# Altium PCB Copy of PCB1.PcbDoc
Units mil, origin at the board's own origin, x right, y up, seen from the top; angles counter-clockwise.
Board outline 1770.03 x 1860.01 mil, 2 copper layers (Top Layer, Bottom Layer); 63 components, 63 nets, 344 pads, 51 vias.
Unrouted connection lines stored in the file: 69.
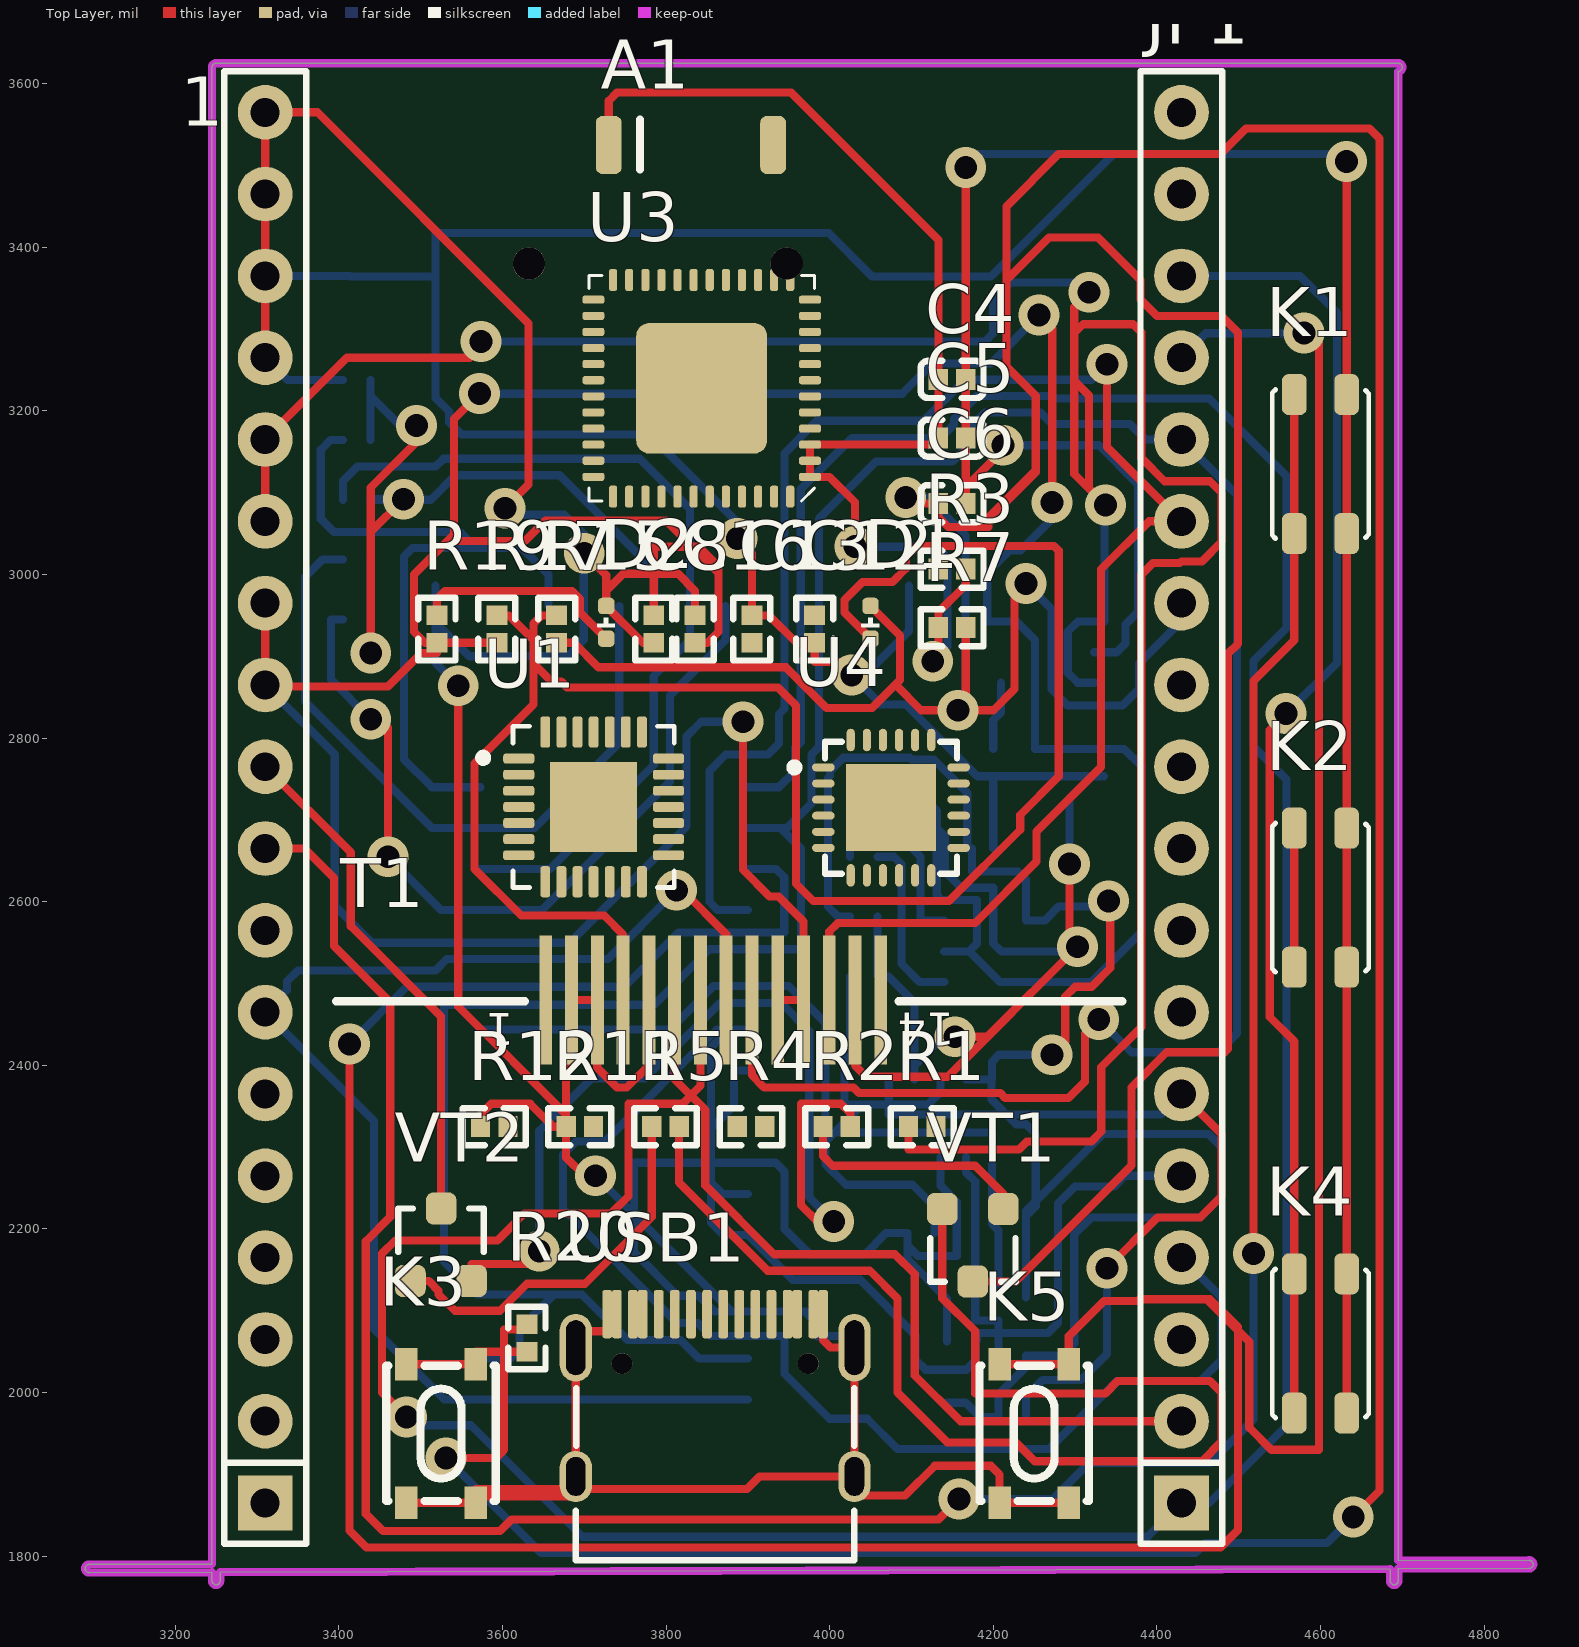
[diagram p0: Top Layer view]
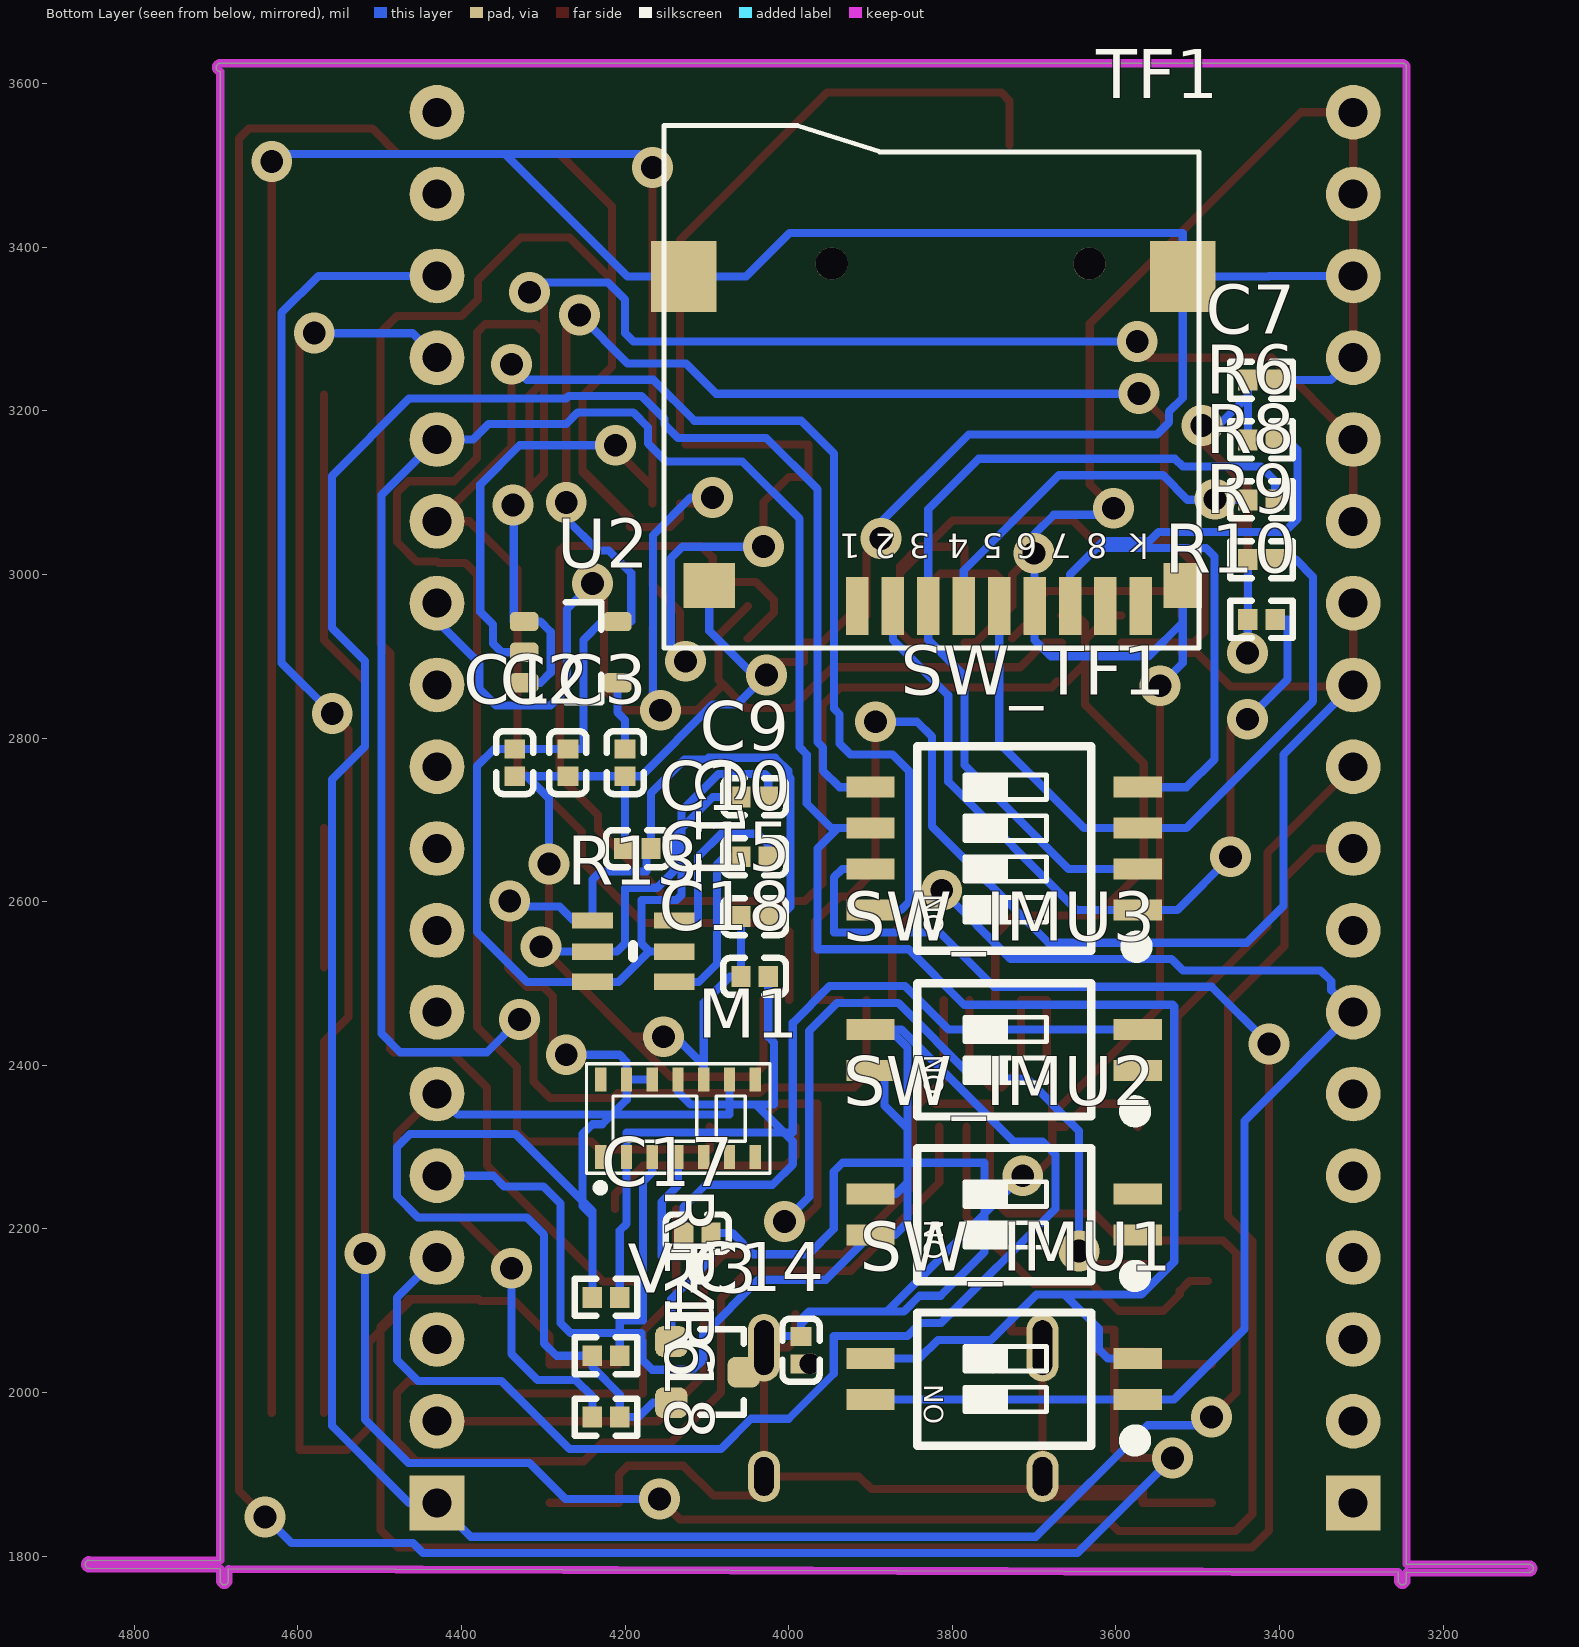
[diagram p1: Bottom Layer view, seen from below]

## Layer stack, top to bottom
Top Solder: solder mask 0.4, Solder Resist, Dk 3.5
Top Layer: signal copper 1.4
Dielectric 1: dielectric 12.6, FR-4, Dk 4.8
Bottom Layer: signal copper 1.4
Bottom Solder: solder mask 0.4, Solder Resist, Dk 3.5

## Board outline
3244.99,1770 3244.99,1780.41 3095.01,1779.98 cw(c3095,1785) 3094.99,1790.02 3244.99,1790.44 3244.99,3620 cw(c3250,3620) 3250,3625.01 4695,3625.01 cw(c4695,3620) 4700.02,3620 cw(c4695,3620) 4695.02,3614.99 4695.02,1794.56 4854.99,1795.02 cw(c4855,1790) 4860.02,1790 cw(c4855,1790) 4855.01,1784.98 4695.02,1784.53 4695.02,1770 cw(c4690,1770) 4684.98,1770 4684.98,1784.5 3255.01,1780.44 3255.01,1770 cw(c3250,1770)

## Design rules (kind name [scope] priority, off if disabled: settings)
Clearance [All] p1: gap=10 ignorepadtopadclearanceinfootprint=FALSE except(0: Arc-Hole Track-Hole SMDPad-Hole THPad-Hole Via-Hole Fill-Hole Poly-Hole Region-Hole Text-Hole)
PolygonConnect [All] p1: connectstyle=Relief reliefconductorwidth=10 reliefentries=4 polygonreliefangle="90 Angle" airgapwidth=10
RoutingVias [All] p1: holewidth=28 width=50 viastyle="Through Hole" minholewidth=28 minwidth=50 maxholewidth=28 maxwidth=50
SolderMaskExpansion [All] p1: expansion=4 istentingtop=FALSE
Width [All] p1: maxlimit=10 minlimit=10 preferedwidth=10
30 further rules are at their usual default settings.

## Components (designator, comment, footprint, x,y, rotation, side; value= is the part's Value field where it differs from the comment)
1 "HDR-1X18" HDR2.54-LI-18P 3310,2715 r90 top
A1 "RAINSUN" ANT-Rainsun-AN5120 3830,3525 r0 top
C1 "0.1uF" 0402_C 4334.96,2770 r90 bottom value=0.1u
C2 "10uF" 0402_C 4270,2770 r90 bottom value=0.1u
C3 "10nF" 0402_C 4200,2770 r90 bottom value=0.1u
C4 "10nF" 0402_C 4149.69,3238.39 r180 top value=0.1u
C5 "0.1uF" 0402_C 4149.69,3166.77 r180 top value=0.1u
C6 "0.1uF" 0402_C 4149.69,3086.69 r180 top value=0.1u
C7 "100nf" 0402_R 3422.05,3237.6 r0 bottom
C8 "10nF" 0402_R 3785,2933.27 r270 top value=0.1u
C9 "10uF (106) 10% 10V" 0402_C 4041.73,2728.15 r0 bottom
C10 "1uF (105) 10% 50V" 0402_C 4041.73,2655 r180 bottom
C11 "10uF (106) 10% 10V" 0402_C 4185,2665 r180 bottom
C12 "0.1uF" 0402_R 3981.75,2933.27 r270 top value=0.1u
C13 "2.2nF" 0402_R 3905,2933.27 r270 top value=0.1u
C14 "100nF (104) 10% 50V" 0402_C 3985,2051.73 r90 bottom
C15 "100nF (104) 10% 50V" 0402_C 4041.73,2581.85 r180 bottom
C16 "0.1uF" 0402_R 3835.45,2933.27 r270 top value=0.1u
C17 "100nF (104) 10% 50V" 0402_C 4111.73,2195 r180 bottom
C18 "10uF (106) 10% 10V" 0402_C 4041.73,2508.7 r0 bottom
D1 "color?" LED_0402_RED 4050,2941.59 r90 top
D2 "color?" LED_0402_RED 3726.87,2941.59 r90 top
JP1 "HDR-1X18" HDR2.54-LI-18P 4430,2715 r90 top
K1 "TACT 4P" ButtonTACT_3.5*3.55_90 4600,3135 r270 top value=3.4x3.5
K2 "TACT 4P" ButtonTACT_3.5*3.55_90 4600,2605 r270 top value=3.4x3.5
K3 "TACT 4P" SW-SMD_4P-L4.2-W3.3-P2.15-LS5.1 3525,1950 r90 top value=3.4x3.5
K4 "TACT 4P" ButtonTACT_3.5*3.55_90 4600,2060 r270 top value=3.4x3.5
K5 "TACT 4P" SW-SMD_4P-L4.2-W3.3-P2.15-LS5.1 4250,1950 r90 top value=3.4x3.5
M1 "MAX30102" MAX30102 4135,2324.72 r90 bottom
R1 "10K" 0402_R 4113.23,2325 r180 top value=22R
R2 "12K" 0402_R 4008.58,2325 r0 top value=22R
R3 "0R" 0402_R 4149.69,3006.61 r180 top value=22R
R4 "200R" 0402_R 3903.94,2325 r0 top value=22R
R5 "12K" 0402_R 3799.29,2325 r0 top value=22R
R6 "10K" 0402_R 3422.05,3164.45 r0 bottom
R7 "10K" 0402_R 4149.69,2935 r180 top value=22R
R8 "10K" 0402_R 3422.05,3091.3 r0 bottom
R9 "10K" 0402_R 3422.05,3018.15 r0 bottom
R10 "10K" 0402_R 3422.05,2945 r0 bottom
R11 "5.1K" 0402_R 3694.65,2325 r180 top value=22R
R12 "5.1K" 0402_R 3590,2325 r180 top value=22R
R13 "RCWL_9183" RCWL-9183 4190,2537 r270 bottom
R14 "4.7K" 0402_R 4223.32,2116.3 r0 bottom value=22R
R15 "10R" 0402_R 3666.3,2933.27 r90 top
R16 "4.7K" 0402_R 4223.32,2045 r0 bottom value=22R
R17 "1K" 0402_R 3593.15,2933.27 r90 top value=22R
R18 "4.7K" 0402_R 4223.32,1970 r0 bottom value=22R
R19 "1K" 0402_R 3520,2933.27 r90 top value=22R
R20 "1K" 0402_R 3630,2066.73 r90 top value=22R
SW_IMU1 "SW-2P" "SW1.27 SMD-2P" 3736.62,2016.45 r90 bottom
SW_IMU2 "SW-2P" "SW1.27 SMD-2P" 3736.62,2217.64 r90 bottom
SW_IMU3 "SW-2P" "SW1.27 SMD-2P" 3736.62,2418.82 r90 bottom
SW_TF1 "SW-4P" "SW1.27 SMD-4P" 3736.62,2665 r90 bottom
T1 "TFT177PF254" TFT144PF254 4438.46,2821.2 r180 top
TF1 "TF_Card" "Micro SD" 3790,3380 r0 bottom
U1 "CP2102" QFN-28 3711.5,2715.94 r0 top value=Value
U2 "LP2992 3V3" SOT23-5 4264.44,2905.04 r180 bottom
U3 "ESP32_SIP" QFN-48_7X7 3843.58,3227.62 r180 top
U4 "MPU6050" QFN-24 4075,2715 r0 top
USB1 "Type-C" Type-C-TOP 3860,1996.64 r270 top
VT1 "S8050" SMT_TRIODE_NPN 4175,2180 r180 top
VT2 "S8050" SMT_TRIODE_NPN 3525,2180.71 r0 top
VT3 "S8050" SMT_TRIODE_NPN 4099.29,2025 r270 bottom

## Footprints (in the part's own frame and the unit in brackets; to place one, negate y for a bottom-side part, rotate by r counter-clockwise, add the part's x,y. Pads: shape width x height; smd on the part's side, far side on the other; paste and mask are expansions set on the pad)
0402_C [mm]
  rect 0.6x0.65 smd mask+0.051: 1(-0.425,0) 2(0.425,0)
  silkscreen extent -0.98,-0.58 0.98,0.58, body extent -0.48,-0.3 0.52,0.3, height 0.2
0402_R [mm]
  rect 0.6x0.65 smd mask+0.051: 1(-0.425,0) 2(0.425,0)
  silkscreen extent -0.97,-0.57 0.98,0.58, body extent -0.57,-0.27 0.58,0.28, height 0.41
ANT-Rainsun-AN5120 [mm]
  rrect50% 0.8x1.8 smd: 1(-2.54,0) ""(2.563,0)
  silkscreen extent -1.57,-0.76 -1.57,0.79, body extent -2.57,-0.91 2.54,0.94, height 1.32
ButtonTACT_3.5*3.55_90 [mil]
  rrect50% 50x30 smd: 1(-85,32) 2(-85,-32) 3(85,32) 4(85,-32)
  silkscreen extent -91,-59 91,59, body extent -90,-55 91,85, height 56
HDR2.54-LI-18P [mm] "排针，18脚"
  rect 1.7x1.7 hole 0.9: 1(-21.59,0)
  round 1.7 hole 0.9: 2(-19.05,0) 3(-16.51,0) 4(-13.97,0) 5(-11.43,0) 6(-8.89,0) 7(-6.35,0) 8(-3.81,0) 9(-1.27,0) 10(1.27,0) 11(3.81,0) 12(6.35,0) 13(8.89,0) 14(11.43,0) 15(13.97,0) 16(16.51,0) 17(19.05,0) 18(21.59,0)
  silkscreen extent -22.86,-1.27 22.86,1.27, body extent -22.86,-1.27 22.86,1.27, height 2.54
LED_0402_RED [mil]
  rrect50% 20x20 smd: 1(-20,0) 2(20,0)
  silkscreen extent -6,-10 6,10, body extent -20,-10 20,10, height 18
MAX30102 [mm]
  rect 0.75x0.35 smd: 1(-0.93,2.408) 2(-0.93,1.608) 3(-0.93,0.808) 4(-0.93,0.008) 5(-0.93,-0.792) 6(-0.93,-1.592) 7(-0.93,-2.392) 8(1.47,-2.392) 9(1.47,-1.592) 10(1.47,-0.792) 11(1.47,0.008) 12(1.47,0.808) 13(1.47,1.608) 14(1.47,2.408)
  silkscreen extent -2.01,-2.85 1.96,2.85
"Micro SD" [mm] "淘宝ID:黄晶宝石"
  round 1 hole 1 unplated: 0(-4,0) 0(4,0)
  rect 0.7x1.8 smd: 1(3.2,10.627) 2(2.1,10.627) 3(1,10.627) 4(-0.1,10.627) 5(-1.2,10.627) 6(-2.3,10.627) 7(-3.4,10.627) 8(-4.5,10.627) 9(-5.6,10.627)
  rect 2.032x2.2 smd: 10(-6.9,0.4) 10(8.6,0.4)
  rect 1.2x1.4 smd: 10(-6.9,10)
  rect 1.6x1.4 smd: 10(7.8,10)
  silkscreen extent -7.4,-4.28 9.2,11.94, body extent -7.05,-3.87 8.95,11.38, height 2
QFN-24 [mm]
  oval 0.7x0.25 smd: 1(-2.1,1.25) 2(-2.1,0.75) 3(-2.1,0.25) 4(-2.1,-0.25) 5(-2.1,-0.75) 6(-2.1,-1.25) 13(2.1,-1.25) 14(2.1,-0.75) 15(2.1,-0.25) 16(2.1,0.25) 17(2.1,0.75) 18(2.1,1.25)
  oval 0.25x0.7 smd: 7(-1.25,-2.1) 8(-0.75,-2.1) 9(-0.25,-2.1) 10(0.25,-2.1) 11(0.75,-2.1) 12(1.25,-2.1) 19(1.25,2.1) 20(0.75,2.1) 21(0.25,2.1) 22(-0.25,2.1) 23(-0.75,2.1) 24(-1.25,2.1)
  rect 2.8x2.7 smd: ""(0,0)
  silkscreen extent -3.12,-2.05 2.05,2.05, body extent -2.02,-2.02 2.02,2.02, height 0.95
QFN-28 [mil]
  rrect50% 38x12 smd mask+5: 1(-91.5,59.06) 2(-91.5,39.37) 3(-91.5,19.69) 4(-91.5,0) 5(-91.5,-19.68) 6(-91.5,-39.37) 7(-91.5,-59.05) 15(91.5,-59.05) 16(91.5,-39.37) 17(91.5,-19.68) 18(91.5,0) 19(91.5,19.69) 20(91.5,39.37) 21(91.5,59.06)
  rrect50% 12x38 smd mask+5: 8(-59.06,-91.5) 9(-39.37,-91.5) 10(-19.68,-91.5) 11(0,-91.5) 12(19.69,-91.5) 13(39.37,-91.5) 14(59.06,-91.5) 22(59.06,91.5) 23(39.37,91.5) 24(19.69,91.5) 25(0,91.5) 26(-19.68,91.5) 27(-39.37,91.5) 28(-59.06,91.5)
  rect 106.3x110.24 smd: 29(0,0)
  silkscreen extent -140,-99 98,98, body extent -98,-98 98,98, height 35
QFN-48_7X7 [mm]
  rrect50% 0.675x0.25 smd: 1(-3.362,2.75) 2(-3.362,2.25) 3(-3.362,1.75) 4(-3.362,1.25) 5(-3.362,0.75) 6(-3.362,0.25) 7(-3.362,-0.25) 8(-3.362,-0.75) 9(-3.362,-1.25) 10(-3.362,-1.75) 11(-3.362,-2.25) 12(-3.362,-2.75) 25(3.363,-2.75) 26(3.363,-2.25) 27(3.363,-1.75) 28(3.363,-1.25) 29(3.363,-0.75) 30(3.363,-0.25) 31(3.363,0.25) 32(3.363,0.75) 33(3.363,1.25) 34(3.363,1.75) 35(3.363,2.25) 36(3.363,2.75)
  rrect50% 0.25x0.675 smd: 13(-2.75,-3.363) 14(-2.25,-3.363) 15(-1.75,-3.363) 16(-1.25,-3.363) 17(-0.75,-3.363) 18(-0.25,-3.363) 19(0.25,-3.363) 20(0.75,-3.363) 21(1.25,-3.363) 22(1.75,-3.363) 23(2.25,-3.363) 24(2.75,-3.363) 37(2.75,3.363) 38(2.25,3.363) 39(1.75,3.363) 40(1.25,3.363) 41(0.75,3.363) 42(0.25,3.363) 43(-0.25,3.363) 44(-0.75,3.363) 45(-1.25,3.363) 46(-1.75,3.363) 47(-2.25,3.363) 48(-2.75,3.363)
  rrect20% 4.064x4.064 smd: 49(0,0)
  silkscreen extent -3.5,-3.5 3.5,3.5, body extent -3.5,-3.5 3.5,3.5, height 1
RCWL-9183 [mil]
  rect 20x50 smd: 1(-40,-50) 2(-2,-50) 3(35,-50) 4(35,50) 5(-2,50) 6(-40,50)
  silkscreen extent -10,0 5,0
SMT_TRIODE_NPN [mm]
  rrect50% 0.95x1 smd: 1(-0.95,-1.125) 2(0.95,-1.125) 3(0,1.125)
  silkscreen extent -1.33,-0.22 1.33,1.13, body extent -1.45,-1.4 1.45,1.4, height 1.3
SOT23-5 [mm]
  rrect50% 0.889x0.6 smd: 1(-1.5,0.95) 2(-1.5,0) 3(-1.5,-0.95) 4(1.396,-0.95) 5(1.396,0.95)
  silkscreen extent -0.2,-1.55 0.9,1.55, body extent -1.48,-1.45 1.32,1.45, height 1.2
"SW1.27 SMD-2P" [mm] "长：4.14mm，宽：5.4mm，高：2.3mm"
  rect 0.65x1.5 smd: 1(-0.635,-4.15) 2(0.635,-4.15) 3(0.635,4.15) 4(-0.635,4.15)
  silkscreen extent -2.15,-4.31 2.07,2.7, body extent -2.07,-4.35 2.07,4.35, height 2.35
"SW1.27 SMD-4P" [mm] "长：6.68mm，宽：5.4mm，高：2.3mm"
  rect 0.65x1.5 smd: 1(-1.905,-4.15) 2(-0.635,-4.15) 3(0.635,-4.15) 4(1.905,-4.15) 5(1.905,4.15) 6(0.635,4.15) 7(-0.635,4.15) 8(-1.905,4.15)
  silkscreen extent -3.3,-4.35 3.17,2.7, body extent -3.34,-4.35 3.34,4.35, height 2.35
SW-SMD_4P-L4.2-W3.3-P2.15-LS5.1 [mm]
  rect 1x0.7 smd: 1(-2.15,1.075) 2(2.15,1.075) 3(-2.15,-1.075) 4(2.15,-1.075)
  silkscreen extent -2.1,-1.7 2.1,1.7
TFT144PF254 [mm]
  rect 0.4x4 smd: 1(19.95,8.666) 2(19.15,8.666) 3(18.35,8.666) 4(17.55,8.666) 5(16.75,8.666) 6(15.95,8.666) 7(15.15,8.666) 8(14.35,8.666) 9(13.55,8.666) 10(12.75,8.666) 11(11.95,8.666) 12(11.15,8.666) 13(10.35,8.666) 14(9.55,8.666)
  silkscreen extent 2.05,8.71 26.46,8.71
Type-C-TOP [mm]
  round 0.65 hole 0.65: 0(-0.98,2.89) 0(-0.98,-2.89)
  oval 1.6x1 hole 0.6 slot 1.2 at 0 deg: 1(2.52,4.325) 2(2.52,-4.325)
  oval 2.1x1 hole 0.6 slot 1.7 at 0 deg: 3(-1.48,-4.325) 4(-1.48,4.325)
  rrect50% 1.5x0.3 smd: A1(-2.52,-3.35) A4(-2.52,-2.55) A5(-2.52,-1.25) A6(-2.52,-0.25) A7(-2.52,0.25) A8(-2.52,1.25) A9(-2.52,2.55) A12(-2.52,3.35) B1(-2.52,3.05) B4(-2.52,2.25) B5(-2.52,1.75) B6(-2.52,0.75) B7(-2.52,-0.75) B8(-2.52,-1.75) B9(-2.52,-2.25) B12(-2.52,-3.05)
  silkscreen extent -0.22,-4.33 5.12,4.33, body extent -2.57,-4.48 5.18,4.48, height 3.26

## Part data
1 JP1: library part "Header 18", "18P接插件", BOM名称=18P接插件, 封装库来自淘宝卖家 ID：黄晶宝石=其他店铺购入均为盗版假冒封装库, 联系卖家，免费查找封装=唯一出售店铺网址https://shop463601444.taobao.com
A1: library part ANT-Rainsun-AP5120
C1 C2 C3 C8 C12 C13 C16: library part 电容-0402, "Capacitor"
C4: library part 电容-0402_2, "Capacitor"
C5 C6: library part 电容-0402_1, "Capacitor"
C7: library part C, "Capacitor", BOM名称=无极性贴片电容, 封装库来自淘宝卖家ID：黄晶宝石=其他店铺购入均为盗版假冒封装库，请立即申请退款, 联系卖家，免费查找封装=唯一出售店铺网址https://shop463601444.taobao.com
C9 C11 C18: library part "0603 10uF (106) 10% 10V", "贴片电容", Package=0603, SuppliersPartNumber=C19702, ComponentLink1Description=供应商链接, ComponentLink1URL=http://www.szlcsc.com/product/details_20411.html, Supplier=LC
C10: library part "0603 1uF (105) 10% 50V", "贴片电容", Package=0603, SuppliersPartNumber=C15849, ComponentLink1Description=供应商链接, ComponentLink1URL=http://www.szlcsc.com/product/details_16531.html, Supplier=LC
C14 C15 C17: library part "0603 100nF (104) 10% 50V", "贴片电容", Package=0603, SuppliersPartNumber=C14663, ComponentLink1Description=供应商链接, ComponentLink1URL=http://www.szlcsc.com/product/details_15331.html, Supplier=LC
D1 D2: library part LED_0402, "LED", Type=0402
K1 K2 K3 K4 K5: library part ButtonTACT, "Button", Type="TACT 4P"
R1 R7: library part 电阻-0402_1, "Resistor"
R2 R5 R17 R19 R20: library part 电阻-0402, "Resistor"
R3: library part 电阻-0402_3, "Resistor"
R4: library part 电阻-0402_2, "Resistor"
R6 R8 R9 R10: library part R, "贴片电阻", BOM名称=贴片电阻, 封装库来自淘宝卖家ID：黄晶宝石=其他店铺购入均为盗版假冒封装库，请立即申请退款, 联系卖家，免费查找封装=唯一出售店铺网址https://shop463601444.taobao.com
R11 R12: library part 电阻-0402_7, "Resistor"
R14 R16 R18: library part 电阻-0402_6, "Resistor"
R15: library part 电阻-0402_9, "Resistor"
SW_IMU1 SW_IMU2 SW_IMU3: "2路编码开关", BOM名称=2路编码开关, 联系卖家，免费查找封装=唯一出售店铺网址https://shop463601444.taobao.com
SW_TF1: "4路编码开关", BOM名称=4路编码开关, 联系卖家，免费查找封装=唯一出售店铺网址https://shop463601444.taobao.com
TF1: "TF卡座", BOM名称=TF卡座, 联系卖家，免费技术支持=唯一出售店铺网址https://shop463601444.taobao.com
U1: "USB转TTL", MFG #1="SILICON LABS", PART DESC="SINGLE-CHIP USB TO UART BRIDGE, QFN28, RoHS.", PART NUMBER=CP2102, RefDes=RefDes, Type=DEV
U2: library part LP2992, "LDO"
U3: library part ESP32-PICO
U4: "六轴传感器"
USB1: library part USB-Type-C-TOP
VT1 VT2: library part SMT_TRIODE_NPN, "Surface mount NPN transistor, package SOT-23"
VT3: library part 65k5, "Surface mount NPN transistor, package SOT-23"

## Via types
v1: diameter 50, hole 28, Top Layer to Bottom Layer, 51 vias

## Nets (pads, with @x,y where several pads share a name; then routed paths per layer and width w, separated by ;. In a path a pad name is that pad's centre, name@x,y a point inside that pad or via, vN(x,y) a via of type N, cw(c..) or ccw(c..) an arc to the next point about the centre after c; other vN are vias at no path point)
3V3: C7.2 R6.2 R8.2 R9.2 R10.2 TF1.4 | length 1317.3
  Top Layer w10: v1(3479,3092) 3439,3052 v1(3439,2904) 3439,3106 3495,3162 v1(3495,3182)
  Bottom Layer w10: R9.2 3438.78,2981 R10.2 ; R6.2 3438.78,3201 C7.2 3438.78,3218.22 3475,3182 v1(3495,3182) ; v1(3479,3092) 3438.78,3092 R8.2 3512.39,3091.3 3542.49,3121.4 3669.6,3121.4 3786.06,3004.94 TF1.4 ; R10.2 R10.2@3439,2945 ; R10.2 R10.2@3439,2945 ; R10.2@3439,2945 v1(3439,2904) R10.2@3439,2945
  other v1: 3439,2904
3V3A: A1.1 C4.2 C5.2 R3.1 R7.2 U3.1 U3.2 U3.3 U3.4 U3.19 U3.37 U3.43 U3.47 | length 1486.2
  Top Layer w10: A1.1 3730,3579 3740,3589 3953,3589 4132.95,3409.05 C4.2 4132.95,3202 C5.2 4126,3166.77 4126,3158.72 U3.3 3975.96,3148 U3.2 3975.96,3129 U3.1 4000,3119.35 4031,3088.35 v1(4031,3034) ; v1(4126,2894) 4132.95,2900.95 R7.2 4132.95,2954 4166.42,2987.47 R3.1
  Bottom Layer w10: v1(4031,3034) 4130,3034 4144,3020 4144,2912 v1(4126,2894)
CP_Rx: U1.25 U3.41
CP_Tx: R4.2 U3.40
DTR: R2.2 U1.28 VT2.2 | length 1166.8
  Top Layer w10: VT2.2 3562.4,2157 3632,2157 3645,2170 v1(3645,2173) ; v1(4005,2209) 3985,2209 3965,2229 3965,2353 4014,2353 4025.31,2341.69 R2.2
  Bottom Layer w10: v1(3645,2173) 3645,2320 3709,2384 3773.91,2384 3866.09,2476.18 3940.82,2476.18 3975,2442 3975,2239 v1(4005,2209)
EN: C6.2 R7.1 R20.2 U3.9 VT1.3 | length 6753.5
  Top Layer w10: v1(3531,1920) 3592,1920 3602,1930 3602,2077 3630,2077 R20.2 ; v1(4093,3094) 4100.31,3086.69 C6.2 ; v1(4157,2834) 4166.42,2843.42 R7.1 ; VT1.3 4227,2135.71 4369,2277.71 4369,2373 4412,2416 4483,2416 4487,2420 4487,2903.24 4499,2915.24 4499,3296 4479,3316 4400,3316 4380,3336 4380,3360 4328,3412 4268,3412 4216,3360 4216,3254 ; v1(4640,1848) 4672,1880 4672,3533 4660,3545 4509,3545 4478,3514 4280,3514 4216,3450 4216,3254 ; 4132.95,3070 C6.2 ; 4132.95,3070 4144.95,3058 ; 4132.95,3070 4144.95,3058 ; 4132.95,3070 C6.2 ; 4144.95,3058 4194,3058 4194,3070 4252,3128 4252,3218 ; 4144.95,3058 4185,3058 4252,3125 4252,3218 ; 4216,3254 4252,3218 ; 4216,3254 4252,3218
  Bottom Layer w10: v1(3531,1920) 3647.15,1803.85 4447,1803.85 4459.15,1816 4608,1816 v1(4640,1848) ; v1(4093,3094) 4120,3094 4166,3048 4166,2843 v1(4157,2834)
GND: 1.15 1.16 1.17 1.18 C1.1 C2.1 C3.1 C4.1 C5.1 C6.1 C7.1 C8.2 C9.2 C11.1 C12.2 C13.1 C14.2 C15.1 C16.1 C17.2 C18.2 D2.2 K1.1 K1.3 K2.1 K2.3 K3.1 K3.3 K4.1 K4.3 K5.1 K5.3 M1.4 M1.10 R11.2 R12.2 R13.2 T1.2 T1.3 T1.5 T1.13 TF1.6 TF1.10 U1.3 U1.29 U2.2 U4.1 U4.9 U4.11 U4.18 USB1.1 USB1.2 USB1.3 USB1.4 USB1.A1 USB1.A12 USB1.B1 USB1.B12 VT3.1 | length 14395.4
  Top Layer w10: 1.15 3310,3314 1.16 3310,3414 1.17 3310,3514 1.18 3374,3565 3632,3307 3632,3110 v1(3603,3081) ; K3.1 3524,1865.36 K3.3 ; v1(3546,2864) 3546,2471.91 3677.91,2340 R11.2 ; R12.2 3573.27,2340 3586.27,2353 3634,2353 3662,2325 R11.2 ; v1(3700,3026) 3726.87,2999.13 3726.87,2980 ; v1(3714,2265) 3700,2265 3677.91,2287.09 R11.2 ; USB1.A1 3728.11,2075 3689.72,2075 USB1.3 3689.72,1976 USB1.2 3689.72,1873 3567.32,1873 K3.3 ; T1.5 3779.02,2400 3752.02,2373 3740,2373 3716.02,2396.98 T1.3 3700,2480 T1.2 3684.53,2405.61 3677.91,2399 R11.2 ; C8.2 3771.93,2916.54 D2.2 ; C16.1 3835.45,2980 3814.45,3001 3747.87,3001 3726.87,2980 ; v1(3887,3044) 3905,3026 C13.1 3926,2950 3959.46,2916.54 3966.46,2916.54 C12.2 ; USB1.A12 3991.89,2064 4000.99,2054.9 USB1.4 4030.28,1976 USB1.1 ; T1.13 4030.98,2400 4044.98,2386 4144,2386 v1(4303,2545) ; v1(4153,2435) 4193,2435 v1(4303,2545) ; v1(4166.42,3497.42) C4.1 4166.42,3202 C5.1 4166.42,3130 C6.1 4166.42,3106.69 4212,3152.27 v1(4212,3158) ; K5.3 4249,1865.36 K5.1 4207.68,1900 4197.21,1910.47 4128.47,1910.47 4092,1874 4030.28,1874 USB1.1 ; v1(4293,2646) 4293,2555 v1(4303,2545) ; K4.3 4632,2060 K4.1 4632,2332 K2.3 4632,2605 K2.1 4632,2779 K1.3 4632,3135 K1.1 ; K3.3 3567.32,1882 3899,1882 3914.42,1897.42 USB1.1 ; D2.2 3726.87,2980 ; D2.2 3726.87,2980 ; 3981.75,2893 C12.2 ; 3981.75,2893 v1@4011,2893 ; 3981.75,2893 C12.2 ; 3981.75,2893 v1@4011,2893 ; v1@4011,2893 v1(4027,2877) v1@4011,2893 ; K1.1 v1(4632,3505) K1.1
  Bottom Layer w10: 1.15 3337.4,3237.6 C7.1 ; 1.16 3413,3365 3413.74,3364.25 TF1.10@3518.35,3364.25 ; v1(3546,2864) 3518.35,2891.65 3518.35,2986.3 3518.35,2941.65 3560,2900 3679.45,2900 3699.45,2920 TF1.6 ; v1(3603,3081) 3611,3073 3676,3073 3699.45,3049.55 TF1.6 ; v1(3700,3026) 3699.45,3025.45 TF1.6 ; v1(3714,2265) 3880,2099 3970,2099 3985,2084 C14.2 ; v1(3887,3044) 3887,3064 3780,3171 3550,3171 3535,3186 3535,3199 3518.35,3215.65 TF1.10@3518.35,3364.25 ; USB1.4 4030.28,2069 3985,2069 C14.2 ; C15.1 4058.46,2545 C18.2 4072,2508.7 4103.84,2476.86 M1.10 4103.84,2400 4138.84,2435 v1(4153,2435) ; C9.2 4092.85,2728.15 4141,2680 4141,2637 4161,2617 4200,2617 4200,2549 4210,2539 R13.2 ; TF1.10@4097.09,2986.3 4097.09,2931.09 4043,2877 v1(4027,2877) 4060,2844 4060,2841 4093,2841 4180.73,2753.27 C3.1 ; M1.4 4135.33,2253 4155.28,2233.06 4155.28,2167 4108,2167 4095,2180 C17.2 ; VT3.1 4143.58,2114.42 4095,2163 C17.2 ; v1(4166.42,3497.42) 4183,3514 v1@4623,3514 ; C11.1 4200,2665 C3.1 ; v1(4212,3158) 4329,3158 4377,3110 4377,2954.23 4361.53,2938.76 4361.53,2915.53 4351.04,2905.04 U2.2 ; v1(4293,2646) 4293,2726.27 4320,2753.27 C1.1 4302,2753.27 C2.1 4235,2753.27 C3.1 ; TF1.10@3518.35,3364.25 3518.35,3417.35 3998.91,3417.35 4052,3364.25 4128.58,3364.25 4197,3364.25 4346.75,3514 v1@4623,3514 ; C14.2 3985,2089.25 3975.25,2099 3859.33,2099 3839.95,2118.38 3814.28,2118.38 3760.8,2171.86 3760.8,2281 3934,2281 3945,2270 3945,2200 3976,2169 4043,2169 4069,2195 C17.2 ; R13.2 v1@4297,2539 ; R13.2 v1@4297,2539 ; R13.2 v1@4297,2539 ; v1@4297,2539 v1(4303,2545) ; v1@4297,2539 v1(4303,2545) ; v1@4297,2539 v1(4303,2545) ; v1@4623,3514 v1(4632,3505) v1@4623,3514
  other v1: 4303,2545 4303,2545 4027,2877 4632,3505
GPIO0: 1.10 K2.2 K2.4 U3.23 VT2.3 | length 799.1
  Top Layer w10: 1.10 3414.66,2660.33 3414.66,2570 3525,2459.66 VT2.3 ; K2.4 4568,2605 K2.2
GPIO2: 1.9 K1.2 K1.4 U3.22 | length 3341.2
  Top Layer w10: 1.9 3358,2665 3394,2629 3394,2546 3463,2477 3463,2215 3433,2185 3433,1851.57 3453.9,1830.67 3597,1830.67 3611.33,1845 4133,1845 v1(4158,1870) ; v1(4518,2170) 4518,2870 4568,2920 K1.4 4568,3135 K1.2
  Bottom Layer w10: v1(4158,1870) 4273,1870 4317,1914 4465,1914 4518,1967 v1(4518,2170)
GPIO4: JP1.16 K4.2 K4.4 U3.24 | length 1600
  Top Layer w10: v1(4558,2830) 4538,2810 4538,2459 4568,2429 K4.2 4568,2060 K4.4
  Bottom Layer w10: JP1.16 4575,3365 4620,3320 4620,2892 v1(4558,2830)
GPIO5: 1.8 U3.34
GPIO9: JP1.9 U3.28
GPIO10: JP1.8 U3.29
GPIO12: 1.7 SW_IMU1.1 SW_IMU1.4 T1.8 U3.18 | length 1669.6
  Top Layer w10: v1(3813,2614) 3820,2614 3873.5,2560.5 T1.8
  Bottom Layer w10: v1(3813,2614) 3728.9,2529.9 3531.94,2529.9 3518.07,2516.03 3350,2516.03 3336.75,2502.79 3336.75,2491.75 1.7 3443,2332 3443,2077.45 3529,1991.45 SW_IMU1.1 3736,1991.45 SW_IMU1.4
GPIO13: JP1.15 K5.2 K5.4 SW_TF1.7 U3.20 | length 5050.6
  Top Layer w10: v1(3413,2426.06) 3413,1831.57 3433.9,1810.67 4477.67,1810.67 4499,1832 4499,2080 4465,2114 4379,2114 ; K5.2 4249,2034.65 K5.4 ; v1(4580,3295) 4598,3295 4598,1930 4540,1930 4513,1957 4513,2062 4461,2114 4379,2114 ; K5.4 4292.32,2069 ; K5.4 4292.32,2069 ; 4292.32,2069 4335.32,2112 ; 4292.32,2069 4335.32,2112 ; 4335.32,2112 4377,2112 ; 4335.32,2112 4377,2112 ; 4377,2112 4379,2114 ; 4377,2112 4379,2114
  Bottom Layer w10: v1(3413,2426.06) 3482.97,2496.03 3749.28,2496.03 3815.45,2562.2 3944.53,2562.2 3944.53,2630 3934.53,2640 SW_TF1.7 ; JP1.15 4460,3295 v1(4580,3295)
GPIO14: JP1.14 SW_IMU1.2 SW_IMU1.3 SW_TF1.6 T1.9 U3.17 | length 4318.5
  Top Layer w10: T1.9 3905,2388 3920,2373 4029,2373 4036,2366 4208.59,2366 4214.59,2360 4292,2360 4312,2380 4312,2439 v1(4329,2456)
  Bottom Layer w10: SW_IMU1.2 3610,2041.45 3621,2052.45 3621,2078 3663,2120 3697,2120 ; v1(4329,2456) 4369,2416 4475,2416 4498,2439 4498,3097 JP1.14 4386,3165 4367,3184 4272,3184 4258,3198 4190,3198 4172,3180 4172,3160 4150,3138 4056.81,3138 3987,3068.19 3987,2789 3978,2780 3978,2720 3948,2690 SW_TF1.6 3940,2690 3965,2665 3965,2542 3853.44,2542 3785.44,2474 3530.7,2474 3528.7,2472 3528.7,2160 3568.7,2120 3697,2120 ; 3697,2120 3752.64,2064.36 ; 3697,2120 3752.64,2064.36 ; 3752.64,2064.36 3817.64,2064.36 ; 3752.64,2064.36 3817.64,2064.36 ; 3817.64,2064.36 3840.55,2041.45 ; 3817.64,2064.36 3840.55,2041.45 ; 3840.55,2041.45 SW_IMU1.3 3840.55,2041.45
GPIO15: JP1.13 SW_TF1.8 T1.12 U3.21 | length 2221.6
  Top Layer w10: T1.12 3999.49,2563.49 4010,2574 4177.99,2574 4253,2649.01 4253,2686 4331.65,2764.65 4331.65,3006.41 4390.24,3065 JP1.13 4339,3156 v1(4339,3257)
  Bottom Layer w10: SW_TF1.8 3863,2590 3853,2600 3853,2760 3873,2780 3924.76,2780 3938,2793.24 3938,2829.18 3944.76,2835.95 3944.76,3148 3984.76,3188 4115.49,3188 4165.49,3238 4320,3238 v1(4339,3257)
GPIO18: JP1.7 U3.35
GPIO19: JP1.6 M1.9 R18.2 U3.38 | length 982.6
  Top Layer w10: v1(4339,2152) 4401,2214 4453,2214 4479,2240 4479,2316 JP1.6
  Bottom Layer w10: M1.9 4072.33,2340 4405,2340 JP1.6 ; R18.2 4240.06,1995 4260.42,2015.37 4307,2015.37 4339,2047.37 v1(4339,2152)
GPIO21: JP1.5 SW_IMU2.4 SW_IMU3.4 U3.42 | length 1084.2
  Bottom Layer w10: SW_IMU3.4 3883,2393.82 3883,2351 3855,2323 3855,2207.63 3870,2192.63 SW_IMU2.4 3954.63,2138 4037,2138 4105,2070 4105,2040 4117,2028 4167,2028 4179,2040 4179,2063 4180,2064 4180,2073 4267,2073 4279,2085 4279,2231 4300,2252 4348,2252 4361,2265 JP1.5
GPIO22: JP1.4 SW_IMU2.3 SW_IMU3.3 U3.39 | length 1770
  Bottom Layer w10: SW_IMU2.3 3869,2242.63 3855,2256.63 3855,2422 3876.82,2443.82 SW_IMU3.3 3862.01,2443.82 3725.2,2307 3690,2307 3674,2291 3674,2224.67 3813.67,2085 3839,2085 3854.75,2069.25 3945,2069.25 3945,2023 4000,1968 4046,1968 4083,1931 4268,1931 4351,2014 4453,2014 4479,2040 4479,2116 JP1.4
GPIO23: JP1.3 U3.36
GPIO25: JP1.2 T1.6 U3.14 | length 1016.3
  Top Layer w10: T1.6 3810.51,2383 3848,2345.51 3848,2253.26 3932.26,2169 4080,2169 4104,2145 4104,2021 4160,1965 JP1.2
GPIO26: JP1.1 SW_TF1.5 T1.7 U3.15 | length 4342.6
  Top Layer w10: v1(3483,1970) 3453,2000 3453,2170 3469,2186 3593.98,2186 3626.7,2218.72 3732.72,2218.72 3754,2240 3754,2353 3820,2353 3842.01,2375.01 T1.7
  Bottom Layer w10: v1(3483,1970) 3492.96,1960.04 3561.41,1960.04 3697.6,1823.85 4388.85,1823.85 JP1.1 4464,1865 4558.47,1959.47 4558.47,2749.53 4518,2790 4518,2894.24 4558.47,2934.7 4558.47,3120.53 4464,3215 4272,3215 4269,3218 4180,3218 4152,3190 4152,3183.56 4135.44,3167 4027.51,3167 3964.76,3104.25 3964.76,2795.23 3958,2788.46 3958,2760 3938,2740 SW_TF1.5
GPIO27: D1.2 JP1.12 R15.1 U3.16 | length 1381.6
  Top Layer w10: R15.1 3687.46,2916.54 3717.46,2886.54 3946.46,2886.54 3996,2837 4052,2837 4086,2871 ; v1(4240,2989) 4226,2975 4226,2860 4200,2834 4112,2834 4080.5,2865.5 4086,2871 ; 4086,2871 4086,2925.59 ; 4086,2871 4086,2925.59 ; 4086,2925.59 D1.2 4086,2925.59
  Bottom Layer w10: v1(4240,2989) 4271,2958 4271,2860 4291,2840 4358,2840 4378,2860 4378,2891 4430,2943 JP1.12
GPIO32: JP1.11 U3.12
GPIO33: JP1.10 U3.13
GPIO34: 1.6 U3.10
GPIO35: 1.5 U3.11
GPIO37: 1.2 U3.6
GPIO38: 1.3 U3.7
LEDA: R15.2 T1.4 | length 656.9
  Top Layer w10: R15.2 3648,2950 3638,2940 3638,2841 3566,2769 3566,2640 3623,2583 3724.52,2583 3747.52,2560 T1.4
MAX_SCL: M1.2 R14.1 SW_IMU3.2 | length 1004.9
  Bottom Layer w10: SW_IMU3.2 3804.82,2443.82 3858,2497 3950,2497 3995,2452 3995,2318 4198.32,2318 M1.2 4198.32,2206.27 4206.59,2198 R14.1
MAX_SDA: M1.3 R16.1 SW_IMU3.1 | length 276.3
  Bottom Layer w10: M1.3 4166.83,2269 4178,2257.83 4178,2088 4206.59,2088 R16.1
MPU_SCL: SW_IMU2.2 U4.23
MPU_SDA: SW_IMU2.1 U4.24
NetC3_2: C3.2 U2.4 | length 84.8
  Bottom Layer w10: C3.2 4200,2822 4209.5,2831.5 U2.4
NetC10_1: C10.1 R13.4 | length 216.1
  Bottom Layer w10: C10.1 4078.53,2655 4087.8,2645.73 4087.8,2524.2 4110,2502 R13.4
NetC10_2: C10.2 R13.6 | length 225
  Bottom Layer w10: C10.2 4025,2670 4038,2683 4082.84,2683 4110.89,2654.96 4110.89,2577 R13.6
NetC11_2: C11.2 C15.2 M1.12 M1.13 R13.1 R14.2 R16.2 R18.1 VT3.2 | length 2396.7
  Top Layer w10: v1(4272,2413) 4288,2429 4288,2484 4300,2496 4320,2496 4343,2519 4343,2599 v1(4341,2601)
  Bottom Layer w10: C15.2 4010,2581.85 3998,2593.85 3998,2751 4000.54,2753.54 4000.54,2760 4016.48,2775.95 4098.08,2775.95 4100.03,2774 4127.27,2774 4168.27,2733 C11.2 4174,2665 4174,2637.12 4230.09,2637.12 4240,2627.2 R13.1 4263,2577 4280,2594 4341,2594 v1(4341,2601) ; VT3.2 4166,1987.6 4183.6,1970 R18.1 4206.59,1997.53 4240.06,2031 R16.2 4284,2045 4299,2060 4299,2193 4320,2214 4453,2214 4479,2240 4479,2300 4463,2316 4334.06,2316 4240.06,2222 R14.2 4240.06,2216 4252,2227.94 4252,2316 4240,2328 4228,2328 4198,2358 4198,2382.59 M1.13 ; M1.12 4182,2382.59 M1.13 ; v1(4272,2413) 4207,2413 4198.32,2404.32 M1.13
NetC12_1: C12.1 U4.10
NetC13_2: C13.2 U4.20
NetC17_1: C17.1 C18.1 M1.11 VT3.3 | length 694.1
  Bottom Layer w10: C18.1 4025,2435 4018,2428 4018,2352 4120,2352 ; C17.1 4128.46,2227 4101.46,2254 4020,2254 3995,2279 3995,2307 4040,2352 4120,2352 ; 4120,2352 4135.33,2367.33 ; 4120,2352 4135.33,2367.33 ; 4135.33,2367.33 M1.11 4135.33,2367.33
NetD1_1: D1.1 R17.2 | length 1686.5
  Top Layer w10: R17.2 3608,2950 3638,2920 3638,2891 3660,2869 3672,2869 3679,2862 3937,2862 3959,2840 3959,2622 3980,2601 4146.06,2601 4233,2687.94 4233,2706 4280,2753 4280,3029.25 4274.25,3035 4107,3035 4093,3021 4093,3007 4077,2991 4040,2991 4018,2969 4018,2953.59 D1.1
NetD2_1: D2.1 R19.2 | length 264.9
  Top Layer w10: R19.2 3520,2970 3530,2980 3685,2980 3695,2970 3695,2953.46 D2.1
NetK3_2: K3.2 K3.4 R20.1 | length 162.7
  Top Layer w10: K3.2 3524,2034.65 K3.4 3567.32,2050 R20.1
NetR1_1: R1.1 U1.9
NetR2_1: R2.1 VT1.1 | length 294.1
  Top Layer w10: R2.1 3991.85,2289.15 4003.8,2277.2 4178.05,2277.2 4212.4,2242.85 VT1.1
NetR4_1: R4.1 U1.26
NetR5_1: R5.1 VT2.1 | length 470.5
  Top Layer w10: VT2.1 3510,2136.42 3522,2124.42 3522,2120 3542,2100 3597,2100 3630,2133 3701,2133 3782.56,2214.56 R5.1
NetR11_1: R11.1 USB1.A5
NetR12_1: R12.1 USB1.B5
RTS: R5.2 U1.24 VT1.2 | length 1564.6
  Top Layer w10: R5.2 3816.02,2256.95 3923.98,2149 4049,2149 4083,2115 4083,2000 4143.86,1939.14 4227.68,1939.14 4250.81,1916 4455,1916 4479,1940 4479,2000 4465,2014 4352,2014 4337,1999 4178,1999 4178,2075 4137.6,2115.4 VT1.2
SD_CLK: R9.1 SW_TF1.3 TF1.5 | length 865.9
  Bottom Layer w10: R9.1 3380,3018.15 3359,2997.15 3359,2845 3514,2690 SW_TF1.3 3638.98,2690 3742.76,2793.78 TF1.5
SD_CS: R10.1 SW_TF1.1 TF1.2 | length 1019.8
  Top Layer w10: v1(3439,2823) 3450,2823 3460,2813 v1(3460,2655)
  Bottom Layer w10: R10.1 3390.52,2945 3390.52,2871.48 v1(3439,2823) ; v1(3460,2655) 3525,2590 SW_TF1.1 3648.25,2590 3805,2746.75 3805,2852.32 3872.68,2920 TF1.2
SD_MISO: R6.1 SW_TF1.4 TF1.7 | length 1049.4
  Bottom Layer w10: R6.1 3390,3164.45 3378,3152.45 3378,3068 3394.02,3051.98 3548,3051.98 3558.98,3041 3615.14,3041 3656.14,3000 ; SW_TF1.4 3513.72,2740 3479.72,2774 3479.72,3021.93 3490,3032.21 3623.93,3032.21 3656.14,3000 ; 3656.14,3000 TF1.7 3656.14,3000
SD_MOSI: R8.1 SW_TF1.2 TF1.3 | length 1079.5
  Bottom Layer w10: R8.1 3405.32,3114.32 3423,3132 3518.32,3132 3527.72,3141.4 3767.97,3141.4 3829.37,3080 TF1.3 3829.37,2920.05 3785,2875.68 3785,2767 3658,2640 SW_TF1.2
SENSOR_VN: 1.4 U3.8
SENSOR_VP: 1.1 U3.5
USB-PWR-DM: U1.5 USB1.A7
USB-PWR-DP: U1.4 USB1.A6 USB1.B6 USB1.B7
VBUS: 1.13 1.14 R1.2 U1.7 U1.8 U2.1 U2.3 USB1.A4 USB1.A9 USB1.B4 USB1.B9 | length 3672.6
  Top Layer w10: 1.13 3310,3114 1.14 3410,3265 3560,3265 3574,3279 v1(3574,3285) ; R1.2 4096.5,2297.2 4231.2,2297.2 4241,2307 4320,2307 4332,2319 4332,2398 4381,2447 4381,3000 4395,3014 4428,3014 4430,3016 4455,3016 4479,3040 4479,3100 4465,3114 4409.28,3114 4381,3142.28 4381,3296 4371,3306 4310,3306 4299,3295 4299,3123 v1(4337,3085) 4317,3105 4317,3219 4299,3237 4299,3327 v1(4317,3345)
  Bottom Layer w10: v1(3574,3285) 4190,3285 4200,3295 4200,3336.24 4220.76,3357 4305,3357 v1(4317,3345) ; U2.3 4303.36,2867.64 4291,2880 4291,2930 4303.44,2942.44 U2.1 ; U2.1 U2.1@4336.1,2942.44 ; U2.1 U2.1@4336.1,2942.44 ; U2.1@4336.1,2942.44 v1@4336.1,3084.1 ; U2.1@4336.1,2942.44 v1@4336.1,3084.1 ; v1@4336.1,3084.1 v1(4337,3085) v1@4336.1,3084.1
  other v1: 4337,3085
VCC_3V3: 1.11 1.12 C1.2 C2.2 C8.1 C9.1 C14.1 C16.2 R3.2 R13.3 R13.5 R17.1 R19.1 T1.10 T1.11 U2.5 U4.8 U4.13 | length 5472.8
  Top Layer w10: 1.12 3310,2914 1.11 3312,2863 3460,2863 3501,2904 3520,2904 R19.1 ; v1(3572,3221) 3541,3190 3541,3049 3492,3000 ; R17.1 3556,2916.54 R19.1 ; C8.1 3785,3034 3840,3034 3864,3010 3864,2930 ; v1(3894,2820) 3894,2639.08 3926.53,2606.54 3937.46,2606.54 3967.99,2576.01 T1.11 3952,2480 T1.10 ; v1(4256,3317) 4272,3301 v1(4272,3088) ; 3492,2930 3505.46,2916.54 ; 3492,2930 3492,3000 ; 3492,2930 3492,3000 ; 3492,2930 3505.46,2916.54 ; 3492,3000 3533,3041 3627.72,3041 3652.72,3066 3800,3066 3864,3002 3864,2930 ; 3505.46,2916.54 R19.1 ; 3505.46,2916.54 R19.1 ; 3850.54,2916.54 C16.2 3850.54,2916.54 ; 3850.54,2916.54 3864,2930 ; 3850.54,2916.54 3864,2930
  Bottom Layer w10: 1.11 3395.1,2779.9 3395.1,2594.8 3440,2549.9 3682.75,2549.9 3825,2692.16 3825,2801.92 3843.08,2820 v1(3894,2820) ; v1(3572,3221) 4088.74,3221 4125.74,3258 4197,3258 v1(4256,3317) ; C9.1 4025,2752 4028.95,2755.95 4086,2755.95 4131,2710.95 4131,2608 4137,2602 4180,2602 4180,2549 4170,2539 R13.5 4171,2539 4208,2502 R13.3 4320,2502 4381,2563 4381,2765.73 4360,2786.73 C1.2 4302,2786.73 C2.2 4251,2786.73 4251,2920 4228.56,2942.44 U2.5 4192.61,2942.44 4192.61,3001.86 4220,3029.25 4233.25,3029.25 4272,3068 v1(4272,3088)
pads on no net: A1. JP1.17 JP1.18 M1.1 M1.5 M1.6 M1.7 M1.8 M1.14 T1.1 T1.14 TF1.0 TF1.1 TF1.8 TF1.9 U1.1 U1.2 U1.6 U1.10 U1.11 U1.12 U1.13 U1.14 U1.15 U1.16 U1.17 U1.18 U1.19 U1.20 U1.21 U1.22 U1.23 U1.27 U3.25 U3.26 U3.27 U3.30 U3.31 U3.32 U3.33 U3.44 U3.45 U3.46 U3.48 U3.49 U4. U4.2 U4.3 U4.4 U4.5 U4.6 U4.7 U4.12 U4.14 U4.15 U4.16 U4.17 U4.19 U4.21 U4.22 USB1.0 USB1.A8 USB1.B8

## Keep-outs
Keep-Out Layer:
  the board outline again, w10

## Silkscreen, mask and mechanical layers (free items; w line width, h text height)
Mechanical 1:
  lines w10: 3095,1785 4855,1790 ; 3250,1770 3250,3620 ; 3260,3620 3250,3620 ; 4690,1770 4690,3620 ; 4695,3620 3250,3620

## Text inside footprints (layer, text, board x,y; h text height)
SW_IMU1: Bottom Overlay "ON" at 3803.39,1961.45 h39.37 r270
SW_IMU2: Bottom Overlay "ON" at 3803.39,2162.64 h39.37 r270
SW_IMU3: Bottom Overlay "ON" at 3803.39,2363.82 h39.37 r270
SW_TF1: Bottom Overlay "ON" at 3803.39,2560 h39.37 r270
T1: Top Overlay "14" at 4152.66,2464.4 h40 r180; Top Overlay "1" at 3614.76,2463.8 h40 r180
TF1: Bottom Overlay "k" at 3560,3050 h30 r180; Bottom Overlay "8" at 3609.98,3050 h30 r180; Bottom Overlay "7" at 3653.98,3050 h30 r180; Bottom Overlay "6" at 3695.98,3050 h30 r180; Bottom Overlay "5" at 3737.98,3050 h30 r180; Bottom Overlay "4" at 3779.98,3050 h30 r180; Bottom Overlay "3" at 3826.98,3050 h30 r180; Bottom Overlay "2" at 3868.98,3050 h30 r180; Bottom Overlay "1" at 3911.98,3050 h30 r180